# Altium PCB node24.PcbDoc (part 7 of 10)
Units mm, origin at the board's own origin, x right, y up, seen from the top; angles counter-clockwise.
Board outline 177.92 x 177.92 mm, 6 copper layers (L1 - Signal 1 (Top), L2 - Signal 2, L3 - Ground, L4 - Power, L5 - Signal 3, L6 - Signal 4 (Bot)), stack 1.511 mm thick; 721 components, 595 nets, 2782 pads, 2075 vias.
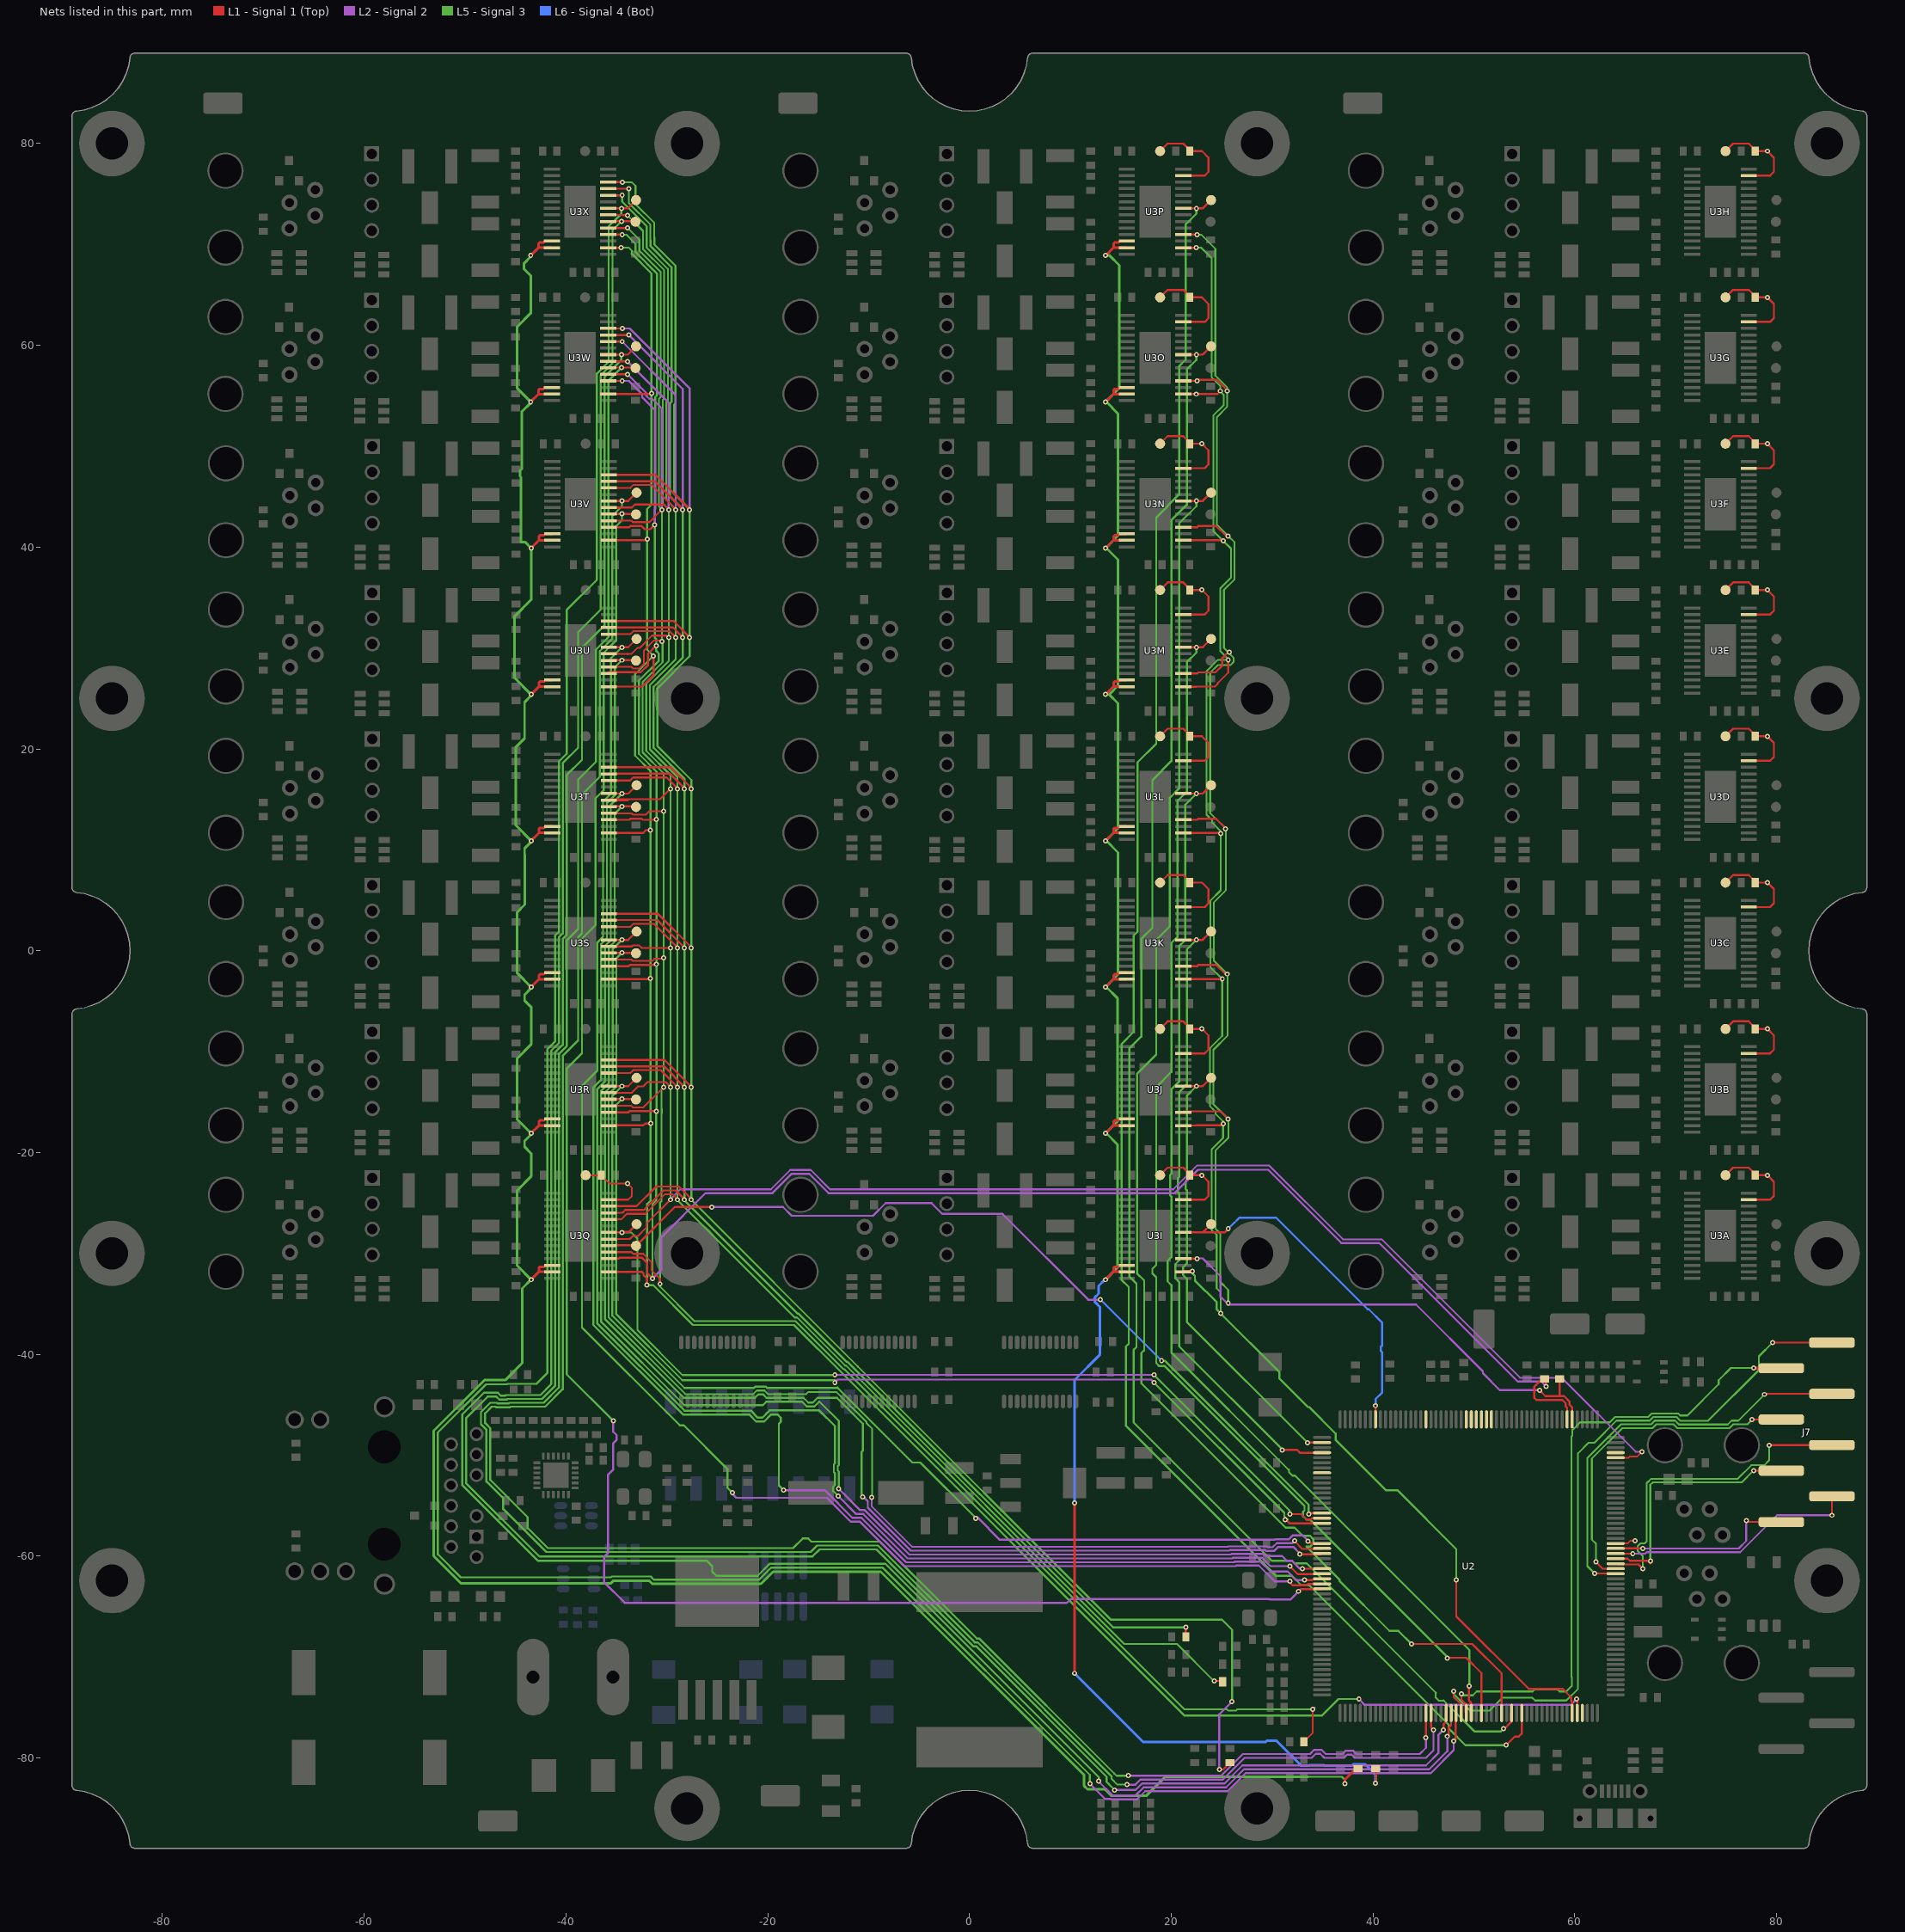
[diagram p11: the nets of this part, all layers, seen from the top]

## Via types
v1: diameter 0.508, hole 0.254, L1 - Signal 1 (Top) to L6 - Signal 4 (Bot), tented both sides, 1661 vias
v2: diameter 0.762, hole 0.381, L1 - Signal 1 (Top) to L6 - Signal 4 (Bot), 403 vias
v3: diameter 0.508, hole 0.254, L1 - Signal 1 (Top) to L6 - Signal 4 (Bot), 11 vias

## Nets (pads, with @x,y where several pads share a name; then routed paths per layer and width w, separated by ;. In a path a pad name is that pad's centre, name@x,y a point inside that pad or via, vN(x,y) a via of type N, cw(c..) or ccw(c..) an arc to the next point about the centre after c; other vN are vias at no path point) (continued)
DRV-BANKB-nFAULT: R38B.1 U2.162 U3I.18 U3J.18 U3K.18 U3L.18 U3M.18 U3N.18 U3O.18 U3P.18 | length 195.6
  L1 - Signal 1 (Top) w0.203: U3I.18@21.2,-30.525 v1(22.575,-30.525) ; U3J.18@21.2,-16.025 21.2,-15.918 24.883,-15.918 v1(25.632,-16.668) ; U3K.18@21.2,-1.525 22.575,-1.525 22.682,-1.418 24.467,-1.418 25.354,-2.305 v1(25.545,-2.305) ; U3L.18@21.2,12.975 22.575,12.975 22.682,13.082 24.467,13.082 25.395,12.154 v1(25.395,12.095) ; U3M.18@21.2,27.475 22.575,27.475 22.682,27.582 24.38,27.582 25.065,28.267 25.065,28.998 25.648,29.581 v1(25.775,29.581) ; U3N.18@21.2,41.975 22.575,41.975 22.682,42.082 24.467,42.082 25.435,41.113 v1(25.638,41.113) ; U3O.18@21.2,56.475 v1(22.575,56.475) 22.682,56.582 24.526,56.582 25.563,55.545 v1(25.563,55.475) ; U3P.18@21.2,70.975 v1(22.575,70.975) ; v1(56.515,-43.561) 57.103,-44.149 58.5,-44.149 ; R38B.1@58.75,-42.45 58.5,-42.7 58.5,-44.149 ; U2.162@59.75,-46.45 59.75,-45.268 59.5,-45.018 59.5,-44.708 58.941,-44.149 58.5,-44.149
  L2 - Signal 2 w0.203: v1(22.575,-30.525) 22.606,-30.494 23.128,-30.494 24.892,-32.258 24.892,-34.29 25.527,-34.925 v1(25.654,-34.925) 25.796,-35.067 44.27,-35.067 50.899,-41.696 50.899,-41.874 52.586,-43.561 v1(56.515,-43.561)
  L5 - Signal 3 w0.18: v1(22.575,70.975) 22.967,70.975 24.371,69.57 24.371,56.994 25.563,55.802 v1(25.563,55.475) 25.563,53.926 24.536,52.898 24.536,42.216 v1(25.638,41.113) 26.286,40.466 26.286,36.826 25.224,35.764 25.224,30.012 v1@25.775,29.462 ; v1(25.654,-34.925) 25.654,-33.627 24.864,-32.838 24.864,-28.021 24.389,-27.546 24.389,-19.821 25.67,-18.54 25.67,-16.705 v1(25.632,-16.668) 24.189,-15.224 24.189,-9.821 25.583,-8.427 25.583,-2.343 v1(25.545,-2.305) 24.239,-0.999 24.239,4.804 25.433,5.998 25.433,12.057 v1(25.395,12.095) 23.861,13.629 23.861,27.551 24.615,28.304 25.871,28.304 26.179,28.612 26.179,29.046 25.775,29.45 v1@25.775,29.462 ; v1(25.775,29.581) v1@25.775,29.462
DRV-BANKB-nRESET: U2.99 U3I.16 U3J.16 U3K.16 U3L.16 U3M.16 U3N.16 U3O.16 U3P.16 | length 203.9
  L1 - Signal 1 (Top) w0.203: U3I.16@21.2,-31.825 21.266,-31.759 v1(22.1,-31.759) ; U3J.16@21.2,-17.325 22.475,-17.325 22.482,-17.318 24.982,-17.318 v1(25.146,-17.154) ; U3K.16@21.2,-2.825 22.475,-2.825 22.482,-2.818 25.032,-2.818 v1(25.058,-2.792) ; U3L.16@21.2,11.675 22.475,11.675 22.482,11.682 24.835,11.682 v1(24.908,11.608) ; U3M.16@21.2,26.175 22.475,26.175 22.482,26.182 24.331,26.182 24.632,26.483 24.632,26.537 25.654,27.559 v1(25.654,28.829) ; U3N.16@21.2,40.675 22.475,40.675 22.482,40.682 25.096,40.682 v1(25.152,40.627) ; U3O.16@21.2,55.175 v1(22.475,55.175) 22.482,55.182 24.582,55.182 v1(24.875,55.475) ; U3P.16@21.2,69.675 v1(22.475,69.675) ; v1(48.26,-62.357) 48.26,-65.971 55.441,-73.152 58.801,-73.152 59.662,-74.013 59.662,-74.39 59.75,-74.478 U2.99@59.75,-75.55
  L5 - Signal 3 w0.18: v1(22.475,69.675) 22.992,69.675 24,68.667 24,56.84 24.875,55.965 v1(24.875,55.475) 24.875,55.422 25.203,55.094 25.203,54.075 24.175,53.047 24.175,41.603 v1(25.152,40.627) 25.925,39.853 25.925,36.975 24.864,35.914 24.864,29.685 25.654,28.894 v1(25.654,28.829) 24.629,28.829 23.5,27.7 23.5,13.48 24.065,12.915 24.065,12.683 24.908,11.84 v1(24.908,11.608) 24.908,5.983 23.879,4.954 23.879,-1.612 v1(25.058,-2.792) 25.058,-8.442 23.829,-9.671 23.829,-15.374 24.39,-15.935 24.39,-16.167 25.146,-16.923 v1(25.146,-17.154) 25.146,-18.554 24.029,-19.671 24.029,-27.696 24.504,-28.171 24.504,-33.451 24.892,-33.839 v1(24.892,-35.941)
  L5 - Signal 3 w0.203: v1(22.1,-31.759) 22.1,-31.975 22.355,-32.23 22.355,-32.642 22.364,-32.651 22.364,-32.697 24.511,-34.844 24.511,-35.56 v1(24.892,-35.941) 30.734,-41.783 30.734,-42.414 33.556,-45.236 33.677,-45.236 36.294,-47.853 36.294,-48.482 41.279,-53.467 42.418,-53.467 48.26,-59.309 v1(48.26,-62.357)
DRV-BANKB-STEP-0: TP8I.1 U2.201 U3I.22 | length 35.7
  L1 - Signal 1 (Top) w0.203: U3I.22@21.2,-27.925 23.125,-27.925 ; TP8I.1@23.95,-27.1 23.125,-27.925 ; v1(25.654,-27.559) 25.288,-27.925 23.125,-27.925 ; U2.201@40.25,-46.45 40.259,-46.441 v1(40.259,-45.085)
  L6 - Signal 4 (Bot) w0.203: v1(25.654,-27.559) 26.276,-26.937 26.298,-26.937 26.612,-26.623 26.612,-26.601 26.745,-26.468 30.405,-26.468 39.469,-35.532 39.592,-35.532 40.894,-36.834 40.894,-39.148 40.789,-39.253 40.789,-39.697 40.894,-39.802 40.894,-43.815 40.259,-44.45 v1(40.259,-45.085)
DRV-BANKB-STEP-1: TP8J.1 U2.2 U3J.22 | length 45.6
  L1 - Signal 1 (Top) w0.203: U3J.22@21.2,-13.425 v1(22.5,-13.425) 23.125,-13.425 TP8J.1@23.95,-12.6 ; v1(33.51,-48.75) U2.2@34.95,-48.75
  L5 - Signal 3 w0.203: v1(22.5,-13.425) 21.555,-14.37 21.555,-22.737 21.433,-22.86 21.433,-23.622 21.555,-23.745 21.555,-31.003 21.18,-31.379 21.18,-32.14 21.555,-32.515 21.555,-36.795 v1(33.51,-48.75)
DRV-BANKB-STEP-2: TP8K.1 U2.4 U3K.22 | length 63.1
  L1 - Signal 1 (Top) w0.203: U3K.22@21.2,1.075 v1(22.5,1.075) 23.125,1.075 TP8K.1@23.95,1.9 ; v1(31,-49.5) 31.036,-49.464 32.472,-49.464 32.794,-49.786 34.914,-49.786 U2.4@34.95,-49.75
  L5 - Signal 3 w0.203: v1(22.5,1.075) 21.555,0.13 21.555,-13.285 20.788,-14.052 20.788,-22.419 20.665,-22.542 20.665,-23.94 20.788,-24.063 20.788,-30.686 20.413,-31.061 20.413,-32.458 20.788,-32.833 20.788,-39.203 31,-49.415 v1(31,-49.5)
DRV-BANKB-STEP-3: TP8L.1 U2.79 U3L.22 | length 109.2
  L1 - Signal 1 (Top) w0.203: U3L.22@21.2,15.575 v1(22.5,15.575) 23.125,15.575 TP8L.1@23.95,16.4 ; v1(49.53,-72.898) 49.53,-74.333 49.75,-74.553 ; 49.75,-74.553 U2.79@49.75,-75.55 49.682,-75.482 49.682,-74.621 49.75,-74.553
  L2 - Signal 2 w0.203: v1(49.53,-72.898) v1@49.558,-72.87
  L5 - Signal 3 w0.203: v1(22.5,15.575) 21.395,14.47 21.395,1.055 20.788,0.448 20.788,-12.967 20.021,-13.734 20.021,-22.102 19.898,-22.225 19.898,-24.257 20.021,-24.38 20.021,-30.368 19.646,-30.743 19.646,-32.776 20.021,-33.151 20.021,-39.833 31.623,-51.435 ; 31.679,-51.435 31.679,-51.687 32.028,-52.036 32.28,-52.036 49.558,-69.314 v1@49.558,-72.87
DRV-BANKB-STEP-4: TP8M.1 U2.81 U3M.22 | length 126
  L1 - Signal 1 (Top) w0.203: U3M.22@21.2,30.075 v1(22.5,30.075) 23.125,30.075 TP8M.1@23.95,30.9 ; v1(47.371,-70.104) 47.399,-70.076 49.244,-70.076 50.75,-71.582 U2.81@50.75,-75.55
  L2 - Signal 2 w0.203: v1(47.371,-70.104) v1@47.498,-70.104
  L5 - Signal 3 w0.203: v1(22.5,30.075) 22.5,29.558 21.555,28.613 21.555,15.765 20.628,14.838 20.628,1.373 20.021,0.766 20.021,-12.021 18.514,-13.528 18.514,-31.147 18.133,-31.528 18.133,-31.972 18.514,-32.353 18.514,-40.862 18.828,-41.176 19.358,-41.176 33.213,-55.031 33.213,-55.475 33.08,-55.607 33.08,-56.064 33.405,-56.389 33.783,-56.389 v1@47.498,-70.104
DRV-BANKB-STEP-5: TP8N.1 U2.85 U3N.22 | length 146.6
  L1 - Signal 1 (Top) w0.203: U3N.22@21.2,44.575 v1(22.5,44.575) 23.125,44.575 TP8N.1@23.95,45.4 ; v1(43.815,-68.707) 49.846,-68.707 52.75,-71.611 U2.85@52.75,-75.55
  L5 - Signal 3 w0.203: v1(22.5,44.575) 22.5,44.058 20.788,42.346 20.788,16.083 19.861,15.156 19.861,2.411 18.514,1.064 18.514,-10.303 16.609,-12.208 16.609,-31.972 17.32,-32.683 17.32,-39.607 17.039,-39.889 17.039,-42.872 31.345,-57.178 32.228,-57.178 33.048,-57.998 33.763,-57.998 34.077,-58.312 34.077,-58.756 33.763,-59.07 33.42,-59.07 36.675,-62.325 36.675,-62.452 41.632,-67.409 42.517,-67.409 v1(43.815,-68.707)
DRV-BANKB-STEP-6: TP8O.1 U2.87 U3O.22 | length 163.9
  L1 - Signal 1 (Top) w0.203: U3O.22@21.2,59.075 v1(22.5,59.075) 23.125,59.075 TP8O.1@23.95,59.9 ; v1(52.959,-77.089) 53.072,-77.089 53.682,-76.479 53.682,-75.55 U2.87@53.75,-75.55
  L5 - Signal 3 w0.203: v1(22.5,59.075) 22.5,58.558 21.555,57.613 21.555,44.198 20.021,42.664 20.021,18.796 18.131,16.906 18.131,2.256 17.039,1.164 17.039,-8.511 15.842,-9.708 15.842,-32.29 16.553,-33.001 16.553,-39.29 16.272,-39.571 16.272,-46.745 29.99,-60.464 31.972,-60.464 32.222,-60.714 32.342,-60.714 33.403,-60.714 46.241,-73.552 46.214,-73.578 46.214,-74.022 46.528,-74.336 46.972,-74.336 46.998,-74.309 50.06,-77.371 52.677,-77.371 v1(52.959,-77.089)
DRV-BANKB-STEP-7: TP8P.1 U2.89 U3P.22 | length 182.3
  L1 - Signal 1 (Top) w0.203: U3P.22@21.2,73.575 v1(22.5,73.575) 23.125,73.575 TP8P.1@23.95,74.4 ; v1(53.213,-78.74) 54.074,-77.879 54.451,-77.879 54.765,-77.565 54.765,-75.565 U2.89@54.75,-75.55
  L5 - Signal 3 w0.203: v1(22.5,73.575) 22.5,73.058 21.441,71.999 21.441,58.584 20.788,57.931 20.788,45.213 18.514,42.939 18.514,20.514 16.656,18.656 16.656,1.865 16.272,1.482 16.272,-8.061 15.075,-9.258 15.075,-32.607 15.786,-33.319 15.786,-38.972 15.505,-39.253 15.505,-47.063 30.406,-61.964 31.972,-61.964 32.901,-62.893 33.679,-62.893 47.526,-76.74 47.526,-77.117 49.149,-78.74 v1(53.213,-78.74)
DRV-BANKB-VREF: R32.1 U3I.12 U3I.13 U3J.12 U3J.13 U3K.12 U3K.13 U3L.12 U3L.13 U3M.12 U3M.13 U3N.12 U3N.13 U3O.12 U3O.13 U3P.12 U3P.13 | length 220
  L1 - Signal 1 (Top) w0.203: v1(40.25,-82.5) 40.286,-82.464 R32.1@40.286,-81.077
  L1 - Signal 1 (Top) w0.254: v1(10.414,-71.628) v1(10.414,-54.737) ; v1(13.5,-32.6) 14.3,-31.8 ; v1(13.5,-18.1) 14.3,-17.3 ; v1(13.5,-3.6) 14.3,-2.8 ; v1(13.5,10.9) 14.3,11.7 ; v1(13.5,25.4) 14.3,26.2 ; v1(13.5,39.9) 14.3,40.7 ; v1(13.5,54.4) 14.3,55.2 ; v1(13.5,68.9) 14.3,69.7 ; U3I.13@15.6,-31.825 14.325,-31.825 14.3,-31.8 ; U3I.12@15.6,-31.175 14.91,-31.175 14.762,-31.323 14.377,-31.323 14.3,-31.4 14.3,-31.8 ; U3J.13@15.6,-17.325 14.325,-17.325 14.3,-17.3 ; U3J.12@15.6,-16.675 14.91,-16.675 14.762,-16.823 14.377,-16.823 14.3,-16.9 14.3,-17.3 ; U3K.13@15.6,-2.825 14.325,-2.825 14.3,-2.8 ; U3K.12@15.6,-2.175 14.91,-2.175 14.762,-2.323 14.377,-2.323 14.3,-2.4 14.3,-2.8 ; U3L.13@15.6,11.675 14.325,11.675 14.3,11.7 ; U3L.12@15.6,12.325 14.91,12.325 14.762,12.177 14.377,12.177 14.3,12.1 14.3,11.7 ; U3M.13@15.6,26.175 14.325,26.175 14.3,26.2 ; U3M.12@15.6,26.825 14.91,26.825 14.762,26.677 14.377,26.677 14.3,26.6 14.3,26.2 ; U3N.13@15.6,40.675 14.325,40.675 14.3,40.7 ; U3N.12@15.6,41.325 14.91,41.325 14.762,41.177 14.377,41.177 14.3,41.1 14.3,40.7 ; U3O.13@15.6,55.175 14.325,55.175 14.3,55.2 ; U3O.12@15.6,55.825 14.91,55.825 14.762,55.677 14.377,55.677 14.3,55.6 14.3,55.2 ; U3P.13@15.6,69.675 14.325,69.675 14.3,69.7 ; U3P.12@15.6,70.325 14.91,70.325 14.762,70.177 14.377,70.177 14.3,70.1 14.3,69.7
  L5 - Signal 3 w0.254: v1(13.5,-32.6) 14.666,-31.434 14.666,-19.192 13.574,-18.1 v1(13.5,-18.1) 14.666,-16.934 14.666,-4.692 13.574,-3.6 v1(13.5,-3.6) 14.732,-2.368 14.732,9.742 13.574,10.9 v1(13.5,10.9) 14.732,12.132 14.732,24.511 13.843,25.4 14.732,26.289 14.732,38.742 13.574,39.9 v1(13.5,39.9) 14.732,41.132 14.732,53.213 14.188,53.757 14.188,53.785 13.574,54.4 v1(13.5,54.4) 14.859,55.759 14.859,67.945 13.904,68.9 v1(13.5,68.9)
  L6 - Signal 4 (Bot) w0.254: v1(10.414,-71.628) 17.198,-78.412 29.379,-78.412 29.485,-78.306 30.427,-78.306 32.899,-80.778 33.646,-80.778 33.709,-80.714 35.125,-80.714 35.188,-80.778 37.894,-80.778 38.026,-80.645 39.243,-80.645 40.25,-81.652 v1(40.25,-82.5) ; v1(10.414,-54.737) 10.414,-42.545 12.954,-40.005 12.954,-35.338 12.435,-34.819 12.435,-34.354 12.812,-33.977 12.812,-33.215 13.427,-32.6 v1(13.5,-32.6)
DRV-BANKC-DECAY: R50.2 U3Q.19 U3R.19 U3S.19 U3T.19 U3U.19 U3V.19 U3W.19 U3X.19 | length 251.1
  L1 - Signal 1 (Top) w0.18: U3Q.19@-35.75,-29.875 -33.515,-29.875 -33.344,-30.046 -32.329,-30.046 -31.521,-30.855 -31.521,-31.663 -30.675,-32.508 v1(-30.675,-33.025) ; U3R.19@-35.75,-15.375 -33.515,-15.375 -33.369,-15.521 -32.321,-15.521 -30.35,-13.55 v1(-30.323,-13.55) ; U3S.19@-35.75,-0.875 -33.515,-0.875 -33.369,-1.021 -31.462,-1.021 -31.242,-0.8 -30.425,-0.8 v1(-30.325,-0.7) ; U3T.19@-35.75,13.625 -33.515,13.625 -33.369,13.479 -32.096,13.479 -31.75,13.825 v1(-30.325,13.825) ; U3U.19@-35.75,28.125 -33.515,28.125 -33.369,27.979 -32.731,27.979 -32.279,28.431 -32.279,29.737 -31.267,30.75 -30.6,30.75 v1(-30.5,30.65) ; U3V.19@-35.75,42.625 -33.515,42.625 -33.369,42.479 -31.719,42.479 v1(-30.498,43.7) ; R50.2@33.15,-78.41 34.036,-77.524 v1(34.036,-75.184)
  L1 - Signal 1 (Top) w0.203: U3W.19@-35.8,57.125 v1(-33.875,57.125) ; U3X.19@-35.8,71.625 v1(-33.875,71.625)
  L2 - Signal 2 w0.18: v1(34.036,-75.184) v1@34.214,-75.006
  L2 - Signal 2 w0.203: v1(-33.875,57.125) -32.061,55.311 -32.061,55.023 -31.747,54.709 -31.459,54.709 -30.498,53.748 v1(-30.498,43.7)
  L5 - Signal 3 w0.18: v1(-33.875,71.625) -32.719,70.469 -32.719,69.388 -30.617,67.286 -30.617,54.869 -30.769,54.716 -30.769,44.024 -30.498,43.753 v1(-30.498,43.7) -30.475,43.677 -30.575,43.577 -30.5,43.502 v1(-30.5,30.65) -30.417,30.567 -30.417,28.597 -32.398,26.616 -32.398,19.659 -30.323,17.585 -30.325,17.583 v1(-30.325,13.825) v1(-30.325,-0.7) -30.325,-13.548 v1(-30.323,-13.55) -30.521,-13.747 -30.521,-15.663 -30.5,-15.683 -30.5,-16.117 -30.521,-16.137 -30.521,-24.821 -30.675,-24.975 v1(-30.675,-33.025) -30.675,-33.287 -27.242,-36.72 -17.237,-36.72 -12.476,-41.481 -12.383,-41.481 21.32,-75.184 25.517,-75.184 25.66,-75.327 26.41,-75.327 26.553,-75.184 v1(34.036,-75.184)
DRV-BANKC-DIR-0: TP9Q.1 U2.16 U3Q.20 | length 86.6
  L1 - Signal 1 (Top) w0.203: U3Q.20@-35.75,-29.225 -35.725,-29.2 -33.1,-29.2 TP9Q.1@-33.05,-29.25 -29.2,-25.4 v1(-25.527,-25.4) ; v1(33.627,-55.853) 33.729,-55.75 U2.16@34.95,-55.75
  L2 - Signal 2 w0.203: v1(-25.527,-25.4) -18.484,-25.4 -17.612,-26.272 -9.567,-26.272 -8.308,-25.013 -3.756,-25.013 -2.677,-26.092 3.284,-26.092 11.778,-34.586 v1(12.996,-34.586)
  L5 - Signal 3 w0.203: v1(19.05,-40.64) 19.364,-40.64 33.627,-54.902 v1(33.627,-55.853)
  L6 - Signal 4 (Bot) w0.203: v1(12.996,-34.586) v1(19.05,-40.64)
DRV-BANKC-DIR-1: TP9R.1 U2.18 U3R.20 | length 103.8
  L1 - Signal 1 (Top) w0.203: U3R.20@-35.75,-14.725 -35.725,-14.7 v1(-34.45,-14.7) -33.1,-14.7 TP9R.1@-33.05,-14.75 ; v1(31.315,-56.389) 31.37,-56.389 31.731,-56.75 U2.18@34.95,-56.75
  L2 - Signal 2 w0.203: v1(-13.335,-42.799) -13.046,-42.51 17.999,-42.51 v1(18.288,-42.799)
  L5 - Signal 3 w0.203: v1(-34.45,-14.7) -35.011,-15.261 -35.011,-36.025 -28.463,-42.573 -13.335,-42.573 v1(-13.335,-42.799) ; v1(18.288,-42.799) 31.216,-55.727 31.216,-56.075 31.53,-56.389 v1(31.315,-56.389)
DRV-BANKC-DIR-2: TP9S.1 U2.23 U3S.20 | length 125.4
  L1 - Signal 1 (Top) w0.18: v1(32.25,-58.5) 32.25,-58.559 33,-59.309 34.891,-59.309 U2.23@34.95,-59.25
  L1 - Signal 1 (Top) w0.203: U3S.20@-35.75,-0.225 -35.725,-0.2 v1(-34.45,-0.2) -33.1,-0.2 TP9S.1@-33.05,-0.25
  L2 - Signal 2 w0.18: v1(-9.7,-54.175) -9.7,-55.05 -5.656,-59.094 25.59,-59.094 25.658,-59.026 29.472,-59.026 29.574,-59.128 30.047,-59.128 30.455,-58.719 32.031,-58.719 v1(32.25,-58.5)
  L5 - Signal 3 w0.18: v1(-34.45,-0.2) -35,-0.75 -35,-13.448 -35.767,-14.215 -35.767,-36.338 -28.163,-43.942 -21.427,-43.942 -21.077,-43.592 -20.325,-43.592 -19.975,-43.942 -16.184,-43.942 -15.967,-43.725 -13.193,-43.725 -10.203,-46.715 -10.203,-46.82 -9.635,-47.388 -9.635,-54.11 v1(-9.7,-54.175)
DRV-BANKC-DIR-3: TP9T.1 U2.27 U3T.20 | length 140.8
  L1 - Signal 1 (Top) w0.203: U3T.20@-35.75,14.275 -35.725,14.3 v1(-34.45,14.3) -33.1,14.3 TP9T.1@-33.05,14.25 ; v1@33.181,-61.25 U2.27@34.95,-61.25
  L2 - Signal 2 w0.203: v1(-12.954,-53.34) -10.845,-55.449 -10.369,-55.449 -5.969,-59.849 25.903,-59.849 25.971,-59.781 29.159,-59.781 29.377,-60 31,-60 31.464,-60.464 31.972,-60.464 32.758,-61.25 v1(33,-61.25)
  L5 - Signal 3 w0.203: v1(-34.45,14.3) -35.175,13.575 -35.175,0.892 -35.755,0.312 -35.755,-13.135 -36.522,-13.902 -36.522,-36.757 -28.243,-45.036 -20.479,-45.036 -20.141,-44.698 -16.603,-44.698 -16.131,-45.169 -15.369,-45.169 -14.897,-44.698 -14.865,-44.698 -12.954,-46.609 -12.954,-50.971 -13.061,-51.078 -13.061,-51.522 -12.954,-51.629 v1(-12.954,-53.34)
DRV-BANKC-DIR-4: TP9U.1 U2.29 U3U.20 | length 157.6
  L1 - Signal 1 (Top) w0.203: U3U.20@-35.75,28.775 -35.725,28.8 v1(-34.45,28.8) -33.1,28.8 TP9U.1@-33.05,28.75 ; v1(33.218,-62.357) 33.19,-62.385 33.954,-62.385 33.954,-62.318 34.882,-62.318 U2.29@34.95,-62.25
  L2 - Signal 2 w0.203: v1(-18.415,-53.467) -14.343,-53.467 -11.593,-56.216 -10.687,-56.216 -6.287,-60.616 26.221,-60.616 26.289,-60.549 28.841,-60.549 29.828,-61.536 31.544,-61.536 32.393,-62.385 33.246,-62.385 v1(33.218,-62.357)
  L5 - Signal 3 w0.203: v1(-34.45,28.8) -35.134,28.116 -35.134,15.434 -35.942,14.625 -35.942,1.21 -36.522,0.63 -36.522,-12.818 -37.289,-13.585 -37.289,-37.074 -28.4,-45.964 -21.836,-45.964 -21.131,-46.669 -20.369,-46.669 -19.664,-45.964 -19.028,-45.964 -18.714,-46.278 -18.714,-46.722 -18.897,-46.904 -18.897,-52.985 v1(-18.415,-53.467)
DRV-BANKC-DIR-5: TP9V.1 U2.31 U3V.20 | length 186.1
  L1 - Signal 1 (Top) w0.203: U3V.20@-35.75,43.275 -35.725,43.3 v1(-34.45,43.3) -33.1,43.3 TP9V.1@-33.05,43.25 ; v1(32.63,-63.491) 32.648,-63.491 32.863,-63.276 34.924,-63.276 U2.31@34.95,-63.25
  L2 - Signal 2 w0.203: v1(-35.306,-46.609) -35.306,-47.686 -34.964,-48.028 -34.964,-48.472 -35.306,-48.814 -35.306,-51.421 -35.819,-51.934 -35.819,-59.677 -36.223,-60.081 -36.223,-62.579 -34.159,-64.643 9.654,-64.643 10.035,-64.261 29.753,-64.261 29.778,-64.286 31.853,-64.286 32.63,-63.509 v1(32.63,-63.491)
  L5 - Signal 3 w0.203: v1(-35.306,-46.609) -39.936,-41.979 -39.936,-11.686 -38.411,-10.161 -38.411,1.189 -37.07,2.53 -37.07,15.092 -36.261,15.901 -36.261,29.532 -35.011,30.782 -35.011,42.097 -34.45,42.658 v1(-34.45,43.3)
DRV-BANKC-DIR-6: TP9W.1 U2.71 U3W.20 | length 235.8
  L1 - Signal 1 (Top) w0.203: U3W.20@-35.8,57.775 -35.775,57.8 v1(-34.5,57.8) -33.15,57.8 TP9W.1@-33.1,57.75 ; U2.71@45.72,-75.58 U2.71@45.75,-75.55 45.75,-77 v1(46,-77.25)
  L2 - Signal 2 w0.203: v1(15.625,-82.65) 16.448,-82.65 16.949,-82.149 25.119,-82.149 27.267,-80 33.923,-80 34.322,-79.601 34.766,-79.601 35.165,-80 37.119,-80 37.439,-79.68 37.883,-79.68 38.203,-80 45.25,-80 46,-79.25 v1(46,-77.25)
  L5 - Signal 3 w0.18: 14.094,-81.831 14.094,-82.094 14.65,-82.65 v1(15.625,-82.65)
  L5 - Signal 3 w0.203: v1(-34.5,57.8) -35.778,56.522 -35.778,31.1 -37.029,29.849 -37.029,18.721 -38.794,16.956 -38.794,2.153 -39.936,1.012 -39.936,-9.486 -40.703,-10.253 -40.703,-43.296 -42.21,-44.803 -45.627,-44.803 -45.688,-44.864 -46.768,-44.864 -46.829,-44.803 -47.504,-44.803 -48.421,-45.72 -48.421,-46.95 -47.874,-47.497 -47.874,-52.618 -46.214,-54.278 -46.214,-55.336 -41.958,-59.592 -15.729,-59.592 -15.09,-58.954 -9.067,-58.954 0.526,-68.546 0.809,-68.546 14.094,-81.831
DRV-BANKC-DIR-7: TP9X.1 U2.75 U3X.20 | length 255.9
  L1 - Signal 1 (Top) w0.203: U3X.20@-35.8,72.275 -35.775,72.3 v1(-34.5,72.3) -33.15,72.3 TP9X.1@-33.1,72.25 ; v1(47.371,-77.851) 47.526,-77.696 47.526,-76.994 47.52,-76.988 47.75,-76.758 U2.75@47.75,-75.55
  L2 - Signal 2 w0.203: v1(12.825,-82.3) 12.825,-82.361 14.179,-83.715 16.468,-83.715 17.267,-82.916 25.436,-82.916 27.216,-81.136 45.572,-81.136 47.371,-79.337 v1(47.371,-77.851)
  L5 - Signal 3 w0.203: v1(-34.5,72.3) -35.388,71.412 -35.388,58.213 -36.545,57.055 -36.545,33.822 -38.794,31.573 -38.794,20.113 -40.319,18.588 -40.319,1.713 -40.703,1.33 -40.703,-9.168 -41.47,-9.935 -41.47,-42.978 -42.528,-44.036 -45.945,-44.036 -46.006,-44.097 -46.45,-44.097 -46.747,-43.8 -48.118,-43.8 -50.292,-45.974 -50.292,-52.958 -42.795,-60.455 -26.045,-60.455 -25.5,-61 -25.5,-61.542 -25.085,-61.958 -21,-61.958 -19.792,-60.75 -8.355,-60.75 12.825,-81.93 v1(12.825,-82.3)